# KiCad board porcupine_4thumb_keys_routed.kicad_pcb (continued)
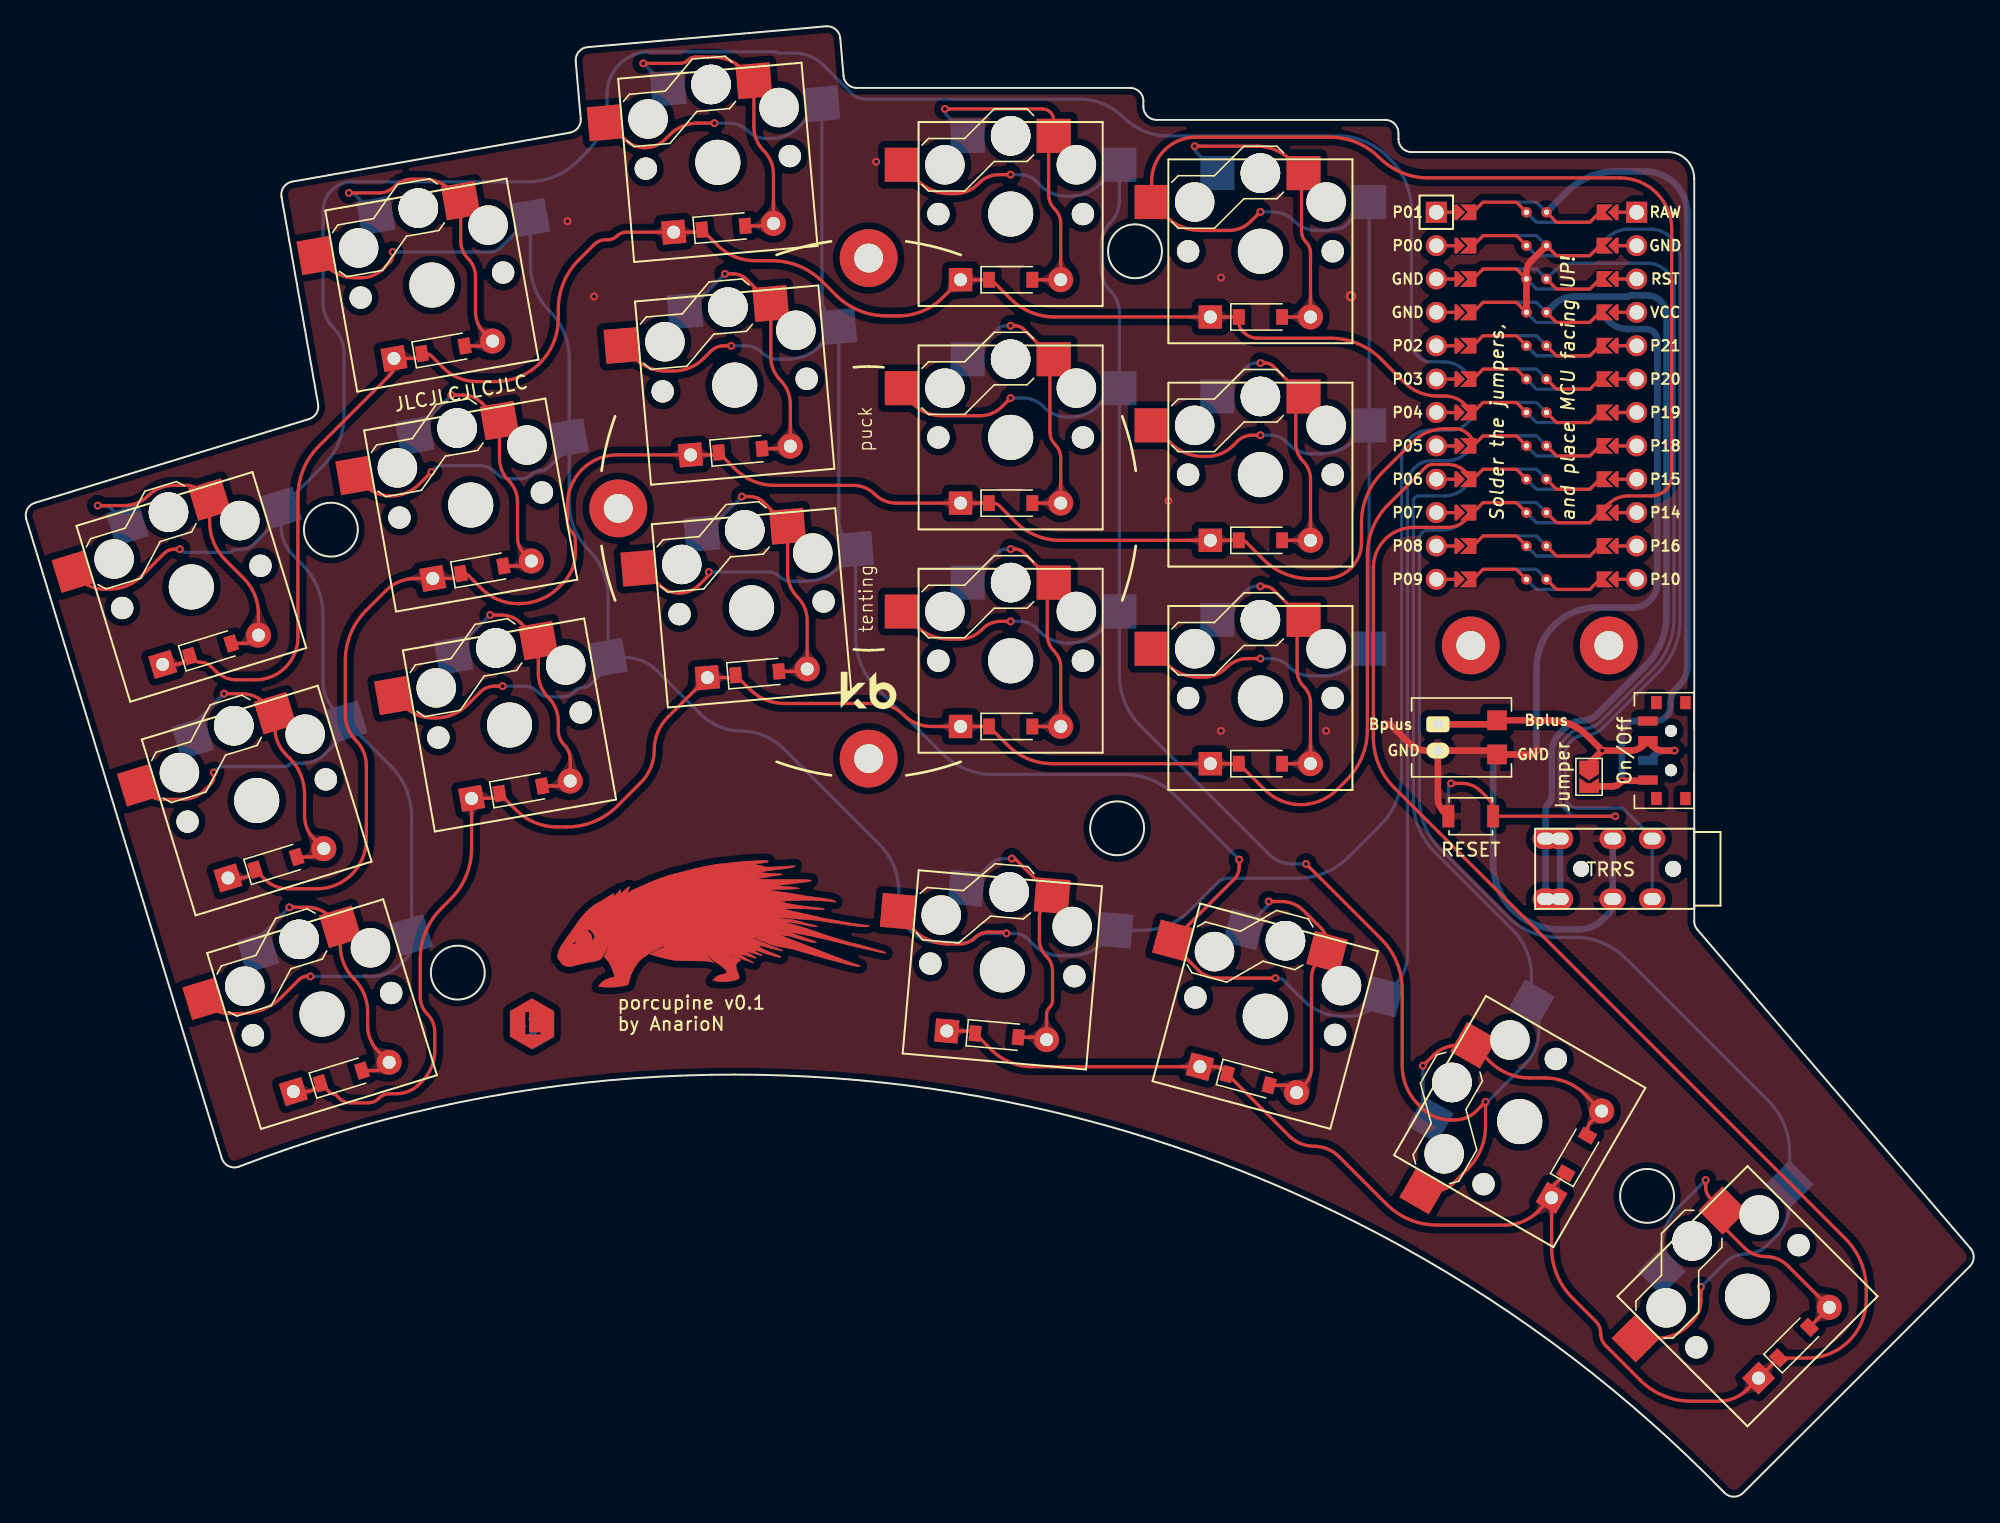
[diagram p0: board, top side]
## Copper pours and planes (outline as drawn; the poured copper is in the pictures) (continued)
inner_home on Bottom: 95.79,72.67 96.01,72.65 96.19,72.62 96.35,72.57 96.48,72.5 96.59,72.42 96.7,72.33 96.82,72.23 96.94,72.13 97.09,72.03 97.27,71.93 98.16,72.79 97.27,73.65 97.09,73.55 96.94,73.45 96.82,73.35 96.7,73.25 96.59,73.16 96.48,73.08 96.35,73.01 96.19,72.96 96.01,72.93 95.79,72.92
inner_thumb on Top: 75.72,34.85 75.93,34.84 76.1,34.8 76.24,34.75 76.36,34.68 76.46,34.59 76.56,34.49 76.66,34.39 76.76,34.27 76.89,34.15 77.03,34.03 78.08,34.69 77.37,35.71 77.16,35.64 76.99,35.57 76.85,35.49 76.72,35.41 76.59,35.33 76.46,35.26 76.32,35.19 76.15,35.14 75.96,35.11 75.72,35.1
inner_thumb on Top: 77.48,36.69 77.47,36.46 77.44,36.28 77.39,36.13 77.32,36 77.24,35.88 77.15,35.77 77.05,35.66 76.95,35.53 76.85,35.38 76.75,35.2 77.61,34.31 78.47,35.2 78.37,35.38 78.27,35.53 78.17,35.66 78.07,35.77 77.98,35.88 77.9,36 77.83,36.13 77.78,36.28 77.75,36.46 77.73,36.69
inner_thumb on Bottom: 75.72,34.85 75.93,34.84 76.1,34.8 76.24,34.75 76.36,34.68 76.46,34.59 76.56,34.49 76.66,34.39 76.76,34.27 76.89,34.15 77.03,34.03 78.08,34.69 77.37,35.71 77.16,35.64 76.99,35.57 76.85,35.49 76.72,35.41 76.59,35.33 76.46,35.26 76.32,35.19 76.15,35.14 75.96,35.11 75.72,35.1
inner_top on Top: 95.79,89.67 96.01,89.65 96.19,89.62 96.35,89.57 96.48,89.5 96.59,89.42 96.7,89.33 96.82,89.23 96.94,89.13 97.09,89.03 97.27,88.93 98.16,89.79 97.27,90.65 97.09,90.55 96.94,90.45 96.82,90.35 96.7,90.25 96.59,90.16 96.48,90.08 96.35,90.01 96.19,89.96 96.01,89.93 95.79,89.92
inner_top on Top: 97.56,91.69 97.55,91.47 97.52,91.28 97.46,91.13 97.4,91 97.32,90.89 97.23,90.78 97.13,90.66 97.03,90.53 96.93,90.39 96.83,90.21 97.69,89.31 98.54,90.21 98.45,90.39 98.35,90.53 98.25,90.66 98.15,90.78 98.06,90.89 97.98,91 97.91,91.13 97.86,91.28 97.82,91.47 97.81,91.69
inner_top on Bottom: 95.79,89.67 96.01,89.65 96.19,89.62 96.35,89.57 96.48,89.5 96.59,89.42 96.7,89.33 96.82,89.23 96.94,89.13 97.09,89.03 97.27,88.93 98.16,89.79 97.27,90.65 97.09,90.55 96.94,90.45 96.82,90.35 96.7,90.25 96.59,90.16 96.48,90.08 96.35,90.01 96.19,89.96 96.01,89.93 95.79,89.92
middle_bottom on Top: 57.51,62.69 57.75,62.68 57.95,62.65 58.11,62.6 58.25,62.53 58.38,62.46 58.51,62.38 58.64,62.3 58.78,62.22 58.96,62.15 59.16,62.08 59.87,63.1 58.83,63.76 58.68,63.64 58.55,63.52 58.45,63.4 58.35,63.29 58.25,63.2 58.15,63.11 58.03,63.04 57.89,62.99 57.72,62.95 57.51,62.94
middle_bottom on Top: 59.28,64.91 59.26,64.68 59.23,64.5 59.18,64.35 59.11,64.22 59.03,64.1 58.94,63.99 58.84,63.88 58.74,63.75 58.64,63.6 58.54,63.42 59.4,62.53 60.26,63.42 60.16,63.6 60.06,63.75 59.96,63.88 59.86,63.99 59.77,64.1 59.69,64.22 59.62,64.35 59.57,64.5 59.54,64.68 59.53,64.91
middle_bottom on Bottom: 57.51,62.69 57.75,62.68 57.95,62.65 58.11,62.6 58.25,62.53 58.38,62.46 58.51,62.38 58.64,62.3 58.78,62.22 58.96,62.15 59.16,62.08 59.87,63.1 58.83,63.76 58.68,63.64 58.55,63.52 58.45,63.4 58.35,63.29 58.25,63.2 58.15,63.11 58.03,63.04 57.89,62.99 57.72,62.95 57.51,62.94
middle_home on Top: 56.22,79.64 56.47,79.63 56.66,79.6 56.83,79.55 56.97,79.49 57.1,79.41 57.22,79.33 57.36,79.25 57.5,79.17 57.67,79.1 57.88,79.03 58.59,80.05 57.54,80.72 57.39,80.59 57.27,80.47 57.16,80.36 57.07,80.25 56.97,80.15 56.87,80.06 56.75,79.99 56.61,79.94 56.44,79.91 56.22,79.89
middle_home on Top: 57.99,81.86 57.98,81.64 57.95,81.45 57.9,81.3 57.83,81.17 57.75,81.05 57.66,80.94 57.56,80.83 57.46,80.7 57.36,80.55 57.26,80.37 58.12,79.48 58.98,80.37 58.88,80.55 58.78,80.7 58.68,80.83 58.58,80.94 58.49,81.05 58.41,81.17 58.34,81.3 58.29,81.45 58.26,81.64 58.24,81.86
middle_home on Bottom: 56.22,79.64 56.47,79.63 56.66,79.6 56.83,79.55 56.97,79.49 57.1,79.41 57.22,79.33 57.36,79.25 57.5,79.17 57.67,79.1 57.88,79.03 58.59,80.05 57.54,80.72 57.39,80.59 57.27,80.47 57.16,80.36 57.07,80.25 56.97,80.15 56.87,80.06 56.75,79.99 56.61,79.94 56.44,79.91 56.22,79.89
middle_top on Top: 56.71,98.82 56.7,98.59 56.67,98.4 56.61,98.25 56.55,98.12 56.47,98.01 56.38,97.9 56.28,97.78 56.18,97.65 56.08,97.5 55.98,97.32 56.84,96.43 57.69,97.32 57.6,97.5 57.49,97.65 57.39,97.78 57.3,97.9 57.21,98.01 57.13,98.12 57.06,98.25 57.01,98.4 56.97,98.59 56.96,98.82
middle_top on Top: 54.94,96.6 55.18,96.58 55.38,96.55 55.55,96.5 55.69,96.44 55.82,96.37 55.94,96.29 56.07,96.21 56.22,96.13 56.39,96.05 56.6,95.99 57.3,97 56.26,97.67 56.11,97.54 55.99,97.42 55.88,97.31 55.78,97.2 55.69,97.1 55.58,97.02 55.47,96.95 55.33,96.89 55.15,96.86 54.94,96.85
middle_top on Bottom: 54.94,96.6 55.18,96.58 55.38,96.55 55.55,96.5 55.69,96.44 55.82,96.37 55.94,96.29 56.07,96.21 56.22,96.13 56.39,96.05 56.6,95.99 57.3,97 56.26,97.67 56.11,97.54 55.99,97.42 55.88,97.31 55.78,97.2 55.69,97.1 55.58,97.02 55.47,96.95 55.33,96.89 55.15,96.86 54.94,96.85
near_thumb on Top: 94.88,31.19 95.07,31.18 95.22,31.13 95.33,31.07 95.42,30.98 95.5,30.88 95.56,30.76 95.69,30.49 95.77,30.34 95.86,30.19 97.05,30.53 96.63,31.71 96.41,31.7 96.23,31.68 96.07,31.65 95.93,31.61 95.79,31.57 95.65,31.53 95.5,31.5 95.33,31.47 95.13,31.45 94.88,31.44
near_thumb on Top: 97.6,32.31 97.54,32.13 97.46,31.99 97.36,31.9 97.24,31.83 97.11,31.8 96.96,31.77 96.81,31.76 96.64,31.74 96.46,31.7 96.28,31.64 96.31,30.41 97.56,30.56 97.6,30.76 97.64,30.94 97.66,31.09 97.68,31.24 97.71,31.51 97.73,31.66 97.76,31.83 97.8,32.03 97.85,32.26
near_thumb on Bottom: 94.88,31.19 95.07,31.18 95.22,31.13 95.33,31.07 95.42,30.98 95.5,30.88 95.56,30.76 95.69,30.49 95.77,30.34 95.86,30.19 97.05,30.53 96.63,31.71 96.41,31.7 96.23,31.68 96.07,31.65 95.93,31.61 95.79,31.57 95.65,31.53 95.5,31.5 95.33,31.47 95.13,31.45 94.88,31.44
P0 on Bottom: 122.49,51.17 122.61,51.04 122.7,50.91 122.76,50.79 122.8,50.68 122.82,50.56 122.83,50.44 122.84,50.32 122.85,50.19 122.87,50.04 122.91,49.88 123.94,49.79 123.99,50.83 123.82,50.89 123.68,50.93 123.54,50.95 123.42,50.97 123.3,50.99 123.18,51.02 123.06,51.06 122.94,51.13 122.81,51.22 122.67,51.35
P0 on Bottom: 123.8,48.48 123.81,48.67 123.84,48.83 123.88,48.96 123.93,49.07 124,49.17 124.07,49.26 124.15,49.36 124.23,49.47 124.32,49.59 124.4,49.74 123.68,50.49 122.96,49.74 123.04,49.59 123.12,49.47 123.2,49.36 123.28,49.26 123.36,49.17 123.42,49.07 123.47,48.96 123.52,48.83 123.54,48.67 123.55,48.48
P0 on Bottom: 123.55,47.08 123.54,46.89 123.52,46.74 123.47,46.61 123.42,46.5 123.35,46.41 123.28,46.31 123.2,46.22 123.12,46.11 123.04,45.99 122.96,45.84 123.68,45.09 124.4,45.84 124.32,45.99 124.23,46.11 124.15,46.22 124.07,46.31 124,46.41 123.94,46.5 123.88,46.61 123.84,46.74 123.81,46.89 123.8,47.08
P4 on Top: 12.06,63.78 11.93,63.66 11.8,63.6 11.68,63.59 11.56,63.62 11.44,63.68 11.32,63.76 11.06,63.96 10.92,64.06 10.76,64.15 9.93,63.35 11.03,62.75 11.16,62.87 11.28,62.97 11.39,63.04 11.5,63.1 11.61,63.16 11.73,63.21 11.84,63.27 11.97,63.36 12.1,63.47 12.24,63.61
P4 on Top: 69.91,91.28 70.06,91.42 70.2,91.52 70.34,91.59 70.47,91.63 70.6,91.65 70.73,91.67 70.87,91.68 71.01,91.7 71.18,91.73 71.36,91.78 71.38,92.94 70.23,92.92 70.17,92.73 70.14,92.57 70.12,92.42 70.11,92.28 70.1,92.15 70.07,92.02 70.03,91.89 69.97,91.76 69.87,91.62 69.73,91.46
P4 on Top: 88.3,89.67 88.51,89.65 88.68,89.62 88.82,89.58 88.94,89.51 89.05,89.44 89.15,89.36 89.26,89.27 89.38,89.17 89.51,89.08 89.68,88.99 90.51,89.79 89.68,90.59 89.51,90.5 89.38,90.41 89.26,90.31 89.15,90.23 89.05,90.14 88.94,90.07 88.82,90.01 88.68,89.96 88.51,89.93 88.3,89.92
P4 on Top: 29.96,87.18 29.9,86.98 29.8,86.87 29.67,86.82 29.52,86.83 29.35,86.89 29.16,86.98 28.96,87.09 28.76,87.21 28.56,87.33 28.36,87.43 27.53,86.63 28.84,86.47 28.91,86.63 29.02,86.72 29.17,86.77 29.34,86.78 29.52,86.77 29.7,86.77 29.88,86.79 30.03,86.84 30.14,86.95 30.21,87.13
P4 on Top: 72.84,92.75 72.63,92.76 72.46,92.79 72.31,92.84 72.19,92.9 72.09,92.98 71.98,93.06 71.88,93.15 71.76,93.24 71.62,93.33 71.46,93.42 70.62,92.62 71.46,91.82 71.62,91.91 71.76,92.01 71.88,92.1 71.98,92.19 72.09,92.27 72.19,92.35 72.31,92.41 72.46,92.46 72.63,92.49 72.84,92.5
P4 on Top: 51.01,96.37 50.81,96.38 50.63,96.41 50.49,96.46 50.37,96.52 50.26,96.6 50.16,96.68 50.06,96.77 49.94,96.86 49.8,96.95 49.63,97.05 48.8,96.25 49.63,95.45 49.8,95.54 49.94,95.63 50.06,95.72 50.16,95.81 50.26,95.89 50.37,95.97 50.49,96.03 50.63,96.08 50.81,96.11 51.01,96.12
P4 on Top: 91.84,89.92 91.63,89.93 91.46,89.96 91.31,90.01 91.19,90.07 91.09,90.14 90.98,90.23 90.88,90.31 90.76,90.41 90.62,90.5 90.46,90.59 89.62,89.79 90.46,88.99 90.62,89.08 90.76,89.17 90.88,89.27 90.98,89.36 91.09,89.44 91.19,89.51 91.31,89.58 91.46,89.62 91.63,89.65 91.84,89.67
P4 on Top: 47.48,96.12 47.69,96.11 47.86,96.08 48,96.03 48.12,95.97 48.23,95.89 48.33,95.81 48.44,95.72 48.55,95.63 48.69,95.54 48.86,95.45 49.69,96.25 48.86,97.05 48.69,96.95 48.55,96.86 48.44,96.77 48.33,96.68 48.23,96.6 48.12,96.52 48,96.46 47.86,96.41 47.69,96.38 47.48,96.37
P4 on Top: 27.43,84.96 27.58,85.11 27.72,85.23 27.83,85.34 27.94,85.43 28.13,85.58 28.23,85.67 28.34,85.76 28.46,85.87 28.6,86 28.05,87.07 27.11,86.4 27.16,86.24 27.23,86.1 27.36,85.85 27.41,85.73 27.44,85.62 27.45,85.5 27.42,85.39 27.36,85.27 27.25,85.14
P4 on Bottom: 51.01,96.37 50.81,96.38 50.63,96.41 50.49,96.46 50.37,96.52 50.26,96.6 50.16,96.68 50.06,96.77 49.94,96.86 49.8,96.95 49.63,97.05 48.8,96.25 49.63,95.45 49.8,95.54 49.94,95.63 50.06,95.72 50.16,95.81 50.26,95.89 50.37,95.97 50.49,96.03 50.63,96.08 50.81,96.11 51.01,96.12
P4 on Bottom: 12.06,63.78 11.93,63.66 11.8,63.6 11.68,63.59 11.56,63.62 11.44,63.68 11.32,63.76 11.06,63.96 10.92,64.06 10.76,64.15 9.93,63.35 11.03,62.75 11.16,62.87 11.28,62.97 11.39,63.04 11.5,63.1 11.61,63.16 11.73,63.21 11.84,63.27 11.97,63.36 12.1,63.47 12.24,63.61
P4 on Bottom: 91.84,89.92 91.63,89.93 91.46,89.96 91.31,90.01 91.19,90.07 91.09,90.14 90.98,90.23 90.88,90.31 90.76,90.41 90.62,90.5 90.46,90.59 89.62,89.79 90.46,88.99 90.62,89.08 90.76,89.17 90.88,89.27 90.98,89.36 91.09,89.44 91.19,89.51 91.31,89.58 91.46,89.62 91.63,89.65 91.84,89.67
P4 on Bottom: 29.96,87.18 29.9,86.98 29.8,86.87 29.67,86.82 29.52,86.83 29.35,86.89 29.16,86.98 28.96,87.09 28.76,87.21 28.56,87.33 28.36,87.43 27.53,86.63 28.84,86.47 28.91,86.63 29.02,86.72 29.17,86.77 29.34,86.78 29.52,86.77 29.7,86.77 29.88,86.79 30.03,86.84 30.14,86.95 30.21,87.13
P4 on Bottom: 72.84,92.75 72.63,92.76 72.46,92.79 72.31,92.84 72.19,92.9 72.09,92.98 71.98,93.06 71.88,93.15 71.76,93.24 71.62,93.33 71.46,93.42 70.62,92.62 71.46,91.82 71.62,91.91 71.76,92.01 71.88,92.1 71.98,92.19 72.09,92.27 72.19,92.35 72.31,92.41 72.46,92.46 72.63,92.49 72.84,92.5
P5 on Top: 88.3,72.67 88.51,72.65 88.68,72.62 88.82,72.58 88.94,72.51 89.05,72.44 89.15,72.36 89.26,72.27 89.38,72.17 89.51,72.08 89.68,71.99 90.51,72.79 89.68,73.59 89.51,73.5 89.38,73.41 89.26,73.31 89.15,73.23 89.05,73.14 88.94,73.07 88.82,73.01 88.68,72.96 88.51,72.93 88.3,72.92
P5 on Top: 52.3,79.42 52.09,79.43 51.92,79.46 51.77,79.51 51.65,79.57 51.55,79.64 51.44,79.73 51.34,79.82 51.22,79.91 51.08,80 50.92,80.09 50.08,79.29 50.92,78.49 51.08,78.58 51.22,78.68 51.34,78.77 51.44,78.86 51.55,78.94 51.65,79.02 51.77,79.08 51.92,79.13 52.09,79.16 52.3,79.17
P5 on Top: 32.92,70.44 32.85,70.24 32.75,70.13 32.63,70.08 32.47,70.09 32.3,70.15 32.11,70.24 31.91,70.35 31.71,70.47 31.51,70.59 31.31,70.69 30.48,69.89 31.8,69.73 31.86,69.89 31.97,69.98 32.12,70.02 32.29,70.03 32.47,70.03 32.66,70.03 32.83,70.05 32.98,70.1 33.09,70.21 33.16,70.39
P5 on Top: 28.76,69.65 29.01,69.7 29.22,69.72 29.4,69.71 29.56,69.67 29.71,69.6 29.85,69.52 29.99,69.42 30.15,69.31 30.33,69.2 30.53,69.09 31.37,69.89 30.53,70.69 30.31,70.58 30.13,70.49 29.82,70.32 29.68,70.25 29.53,70.18 29.36,70.11 29.18,70.04 28.96,69.97 28.69,69.89
P5 on Top: 69.3,75.5 69.51,75.49 69.68,75.46 69.82,75.41 69.94,75.35 70.05,75.27 70.15,75.19 70.26,75.1 70.38,75.01 70.51,74.91 70.68,74.82 71.51,75.62 70.68,76.42 70.51,76.33 70.38,76.24 70.26,76.15 70.15,76.06 70.05,75.98 69.94,75.9 69.82,75.84 69.68,75.79 69.51,75.76 69.3,75.75
P5 on Top: 91.85,72.92 91.64,72.93 91.46,72.96 91.32,73 91.2,73.07 91.09,73.14 90.99,73.22 90.88,73.31 90.76,73.41 90.62,73.5 90.46,73.59 89.62,72.79 90.46,71.99 90.62,72.08 90.76,72.17 90.88,72.27 90.99,72.36 91.09,72.44 91.2,72.51 91.32,72.58 91.46,72.62 91.64,72.65 91.85,72.67
P5 on Top: 72.84,75.75 72.63,75.76 72.46,75.79 72.31,75.84 72.19,75.9 72.09,75.98 71.98,76.06 71.88,76.15 71.76,76.24 71.62,76.33 71.46,76.42 70.62,75.62 71.46,74.82 71.62,74.91 71.76,75.01 71.88,75.1 71.98,75.19 72.09,75.27 72.19,75.35 72.31,75.41 72.46,75.46 72.63,75.49 72.84,75.5
P5 on Top: 17.03,47.52 16.9,47.41 16.77,47.35 16.65,47.34 16.53,47.36 16.41,47.42 16.29,47.51 16.03,47.71 15.89,47.81 15.73,47.89 14.9,47.09 16,46.49 16.13,46.62 16.25,46.71 16.36,46.79 16.47,46.85 16.58,46.9 16.7,46.95 16.81,47.02 16.94,47.1 17.07,47.21 17.22,47.35
P5 on Top: 48.76,79.17 48.97,79.16 49.14,79.13 49.28,79.08 49.4,79.02 49.51,78.94 49.61,78.86 49.72,78.77 49.84,78.68 49.97,78.58 50.14,78.49 50.97,79.29 50.14,80.09 49.97,80 49.84,79.91 49.72,79.82 49.61,79.73 49.51,79.64 49.4,79.57 49.28,79.51 49.14,79.46 48.97,79.43 48.76,79.42
P5 on Bottom: 32.92,70.44 32.85,70.24 32.75,70.13 32.63,70.08 32.47,70.09 32.3,70.15 32.11,70.24 31.91,70.35 31.71,70.47 31.51,70.59 31.31,70.69 30.48,69.89 31.8,69.73 31.86,69.89 31.97,69.98 32.12,70.02 32.29,70.03 32.47,70.03 32.66,70.03 32.83,70.05 32.98,70.1 33.09,70.21 33.16,70.39
P5 on Bottom: 17.03,47.52 16.9,47.41 16.77,47.35 16.65,47.34 16.53,47.36 16.41,47.42 16.29,47.51 16.03,47.71 15.89,47.81 15.73,47.89 14.9,47.09 16,46.49 16.13,46.62 16.25,46.71 16.36,46.79 16.47,46.85 16.58,46.9 16.7,46.95 16.81,47.02 16.94,47.1 17.07,47.21 17.22,47.35
P5 on Bottom: 72.84,75.75 72.63,75.76 72.46,75.79 72.31,75.84 72.19,75.9 72.09,75.98 71.98,76.06 71.88,76.15 71.76,76.24 71.62,76.33 71.46,76.42 70.62,75.62 71.46,74.82 71.62,74.91 71.76,75.01 71.88,75.1 71.98,75.19 72.09,75.27 72.19,75.35 72.31,75.41 72.46,75.46 72.63,75.49 72.84,75.5
P5 on Bottom: 91.84,72.92 91.63,72.93 91.46,72.96 91.31,73.01 91.19,73.07 91.09,73.14 90.98,73.23 90.88,73.31 90.76,73.41 90.62,73.5 90.46,73.59 89.62,72.79 90.46,71.99 90.62,72.08 90.76,72.17 90.88,72.27 90.98,72.36 91.09,72.44 91.19,72.51 91.31,72.58 91.46,72.62 91.63,72.65 91.84,72.67
P5 on Bottom: 52.3,79.42 52.09,79.43 51.92,79.46 51.77,79.51 51.65,79.57 51.55,79.64 51.44,79.73 51.34,79.82 51.22,79.91 51.08,80 50.92,80.09 50.08,79.29 50.92,78.49 51.08,78.58 51.22,78.68 51.34,78.77 51.44,78.86 51.55,78.94 51.65,79.02 51.77,79.08 51.92,79.13 52.09,79.16 52.3,79.17
P6 on Top: 50.65,61 50.8,61.14 50.95,61.24 51.08,61.31 51.21,61.35 51.34,61.37 51.47,61.38 51.61,61.4 51.76,61.41 51.92,61.45 52.1,61.5 52.12,62.65 50.97,62.63 50.92,62.45 50.88,62.29 50.87,62.14 50.85,62 50.84,61.87 50.82,61.74 50.78,61.61 50.71,61.48 50.61,61.33 50.47,61.18
P6 on Top: 91.84,55.92 91.63,55.93 91.46,55.96 91.31,56.01 91.19,56.07 91.09,56.14 90.98,56.23 90.88,56.31 90.76,56.41 90.62,56.5 90.46,56.59 89.62,55.79 90.46,54.99 90.62,55.08 90.76,55.17 90.88,55.27 90.98,55.36 91.09,55.44 91.19,55.51 91.31,55.58 91.46,55.62 91.63,55.65 91.84,55.67
P6 on Top: 53.58,62.46 53.37,62.48 53.2,62.51 53.06,62.55 52.94,62.62 52.83,62.69 52.73,62.77 52.62,62.86 52.5,62.96 52.36,63.05 52.2,63.14 51.37,62.34 52.2,61.54 52.36,61.63 52.5,61.72 52.62,61.82 52.73,61.91 52.83,61.99 52.94,62.06 53.06,62.12 53.2,62.17 53.37,62.2 53.58,62.21
P6 on Top: 34,51.38 34.01,51.59 34.04,51.76 34.09,51.9 34.15,52.02 34.23,52.13 34.31,52.23 34.4,52.34 34.49,52.46 34.58,52.6 34.67,52.76 33.87,53.59 33.07,52.76 33.16,52.6 33.26,52.46 33.35,52.34 33.44,52.23 33.52,52.13 33.6,52.02 33.66,51.9 33.71,51.76 33.74,51.59 33.75,51.38
P6 on Top: 72.84,58.75 72.63,58.76 72.46,58.79 72.31,58.84 72.19,58.9 72.09,58.98 71.98,59.06 71.88,59.15 71.76,59.24 71.62,59.33 71.46,59.42 70.62,58.62 71.46,57.82 71.62,57.91 71.76,58.01 71.88,58.1 71.98,58.19 72.09,58.27 72.19,58.35 72.31,58.41 72.46,58.46 72.63,58.49 72.84,58.5
P6 on Top: 22,31.27 21.87,31.15 21.74,31.09 21.62,31.08 21.5,31.11 21.38,31.17 21.26,31.25 21,31.45 20.86,31.55 20.7,31.64 19.87,30.84 20.97,30.23 21.1,30.36 21.22,30.46 21.33,30.53 21.44,30.59 21.55,30.64 21.67,30.7 21.78,30.76 21.91,30.84 22.04,30.95 22.19,31.1
P6 on Top: 35.87,53.7 35.8,53.5 35.71,53.39 35.58,53.34 35.42,53.35 35.25,53.41 35.06,53.5 34.87,53.61 34.66,53.73 34.46,53.85 34.26,53.95 33.43,53.15 34.75,52.99 34.81,53.15 34.92,53.24 35.07,53.28 35.24,53.29 35.42,53.29 35.61,53.29 35.78,53.3 35.93,53.36 36.04,53.47 36.11,53.65
P6 on Top: 69.3,58.5 69.51,58.49 69.68,58.46 69.82,58.41 69.94,58.35 70.05,58.27 70.15,58.19 70.26,58.1 70.38,58.01 70.51,57.91 70.68,57.82 71.51,58.62 70.68,59.42 70.51,59.33 70.38,59.24 70.26,59.15 70.15,59.06 70.05,58.98 69.94,58.9 69.82,58.84 69.68,58.79 69.51,58.76 69.3,58.75
P6 on Top: 88.3,55.67 88.51,55.65 88.68,55.62 88.82,55.58 88.94,55.51 89.05,55.44 89.15,55.36 89.26,55.27 89.38,55.17 89.51,55.08 89.68,54.99 90.51,55.79 89.68,56.59 89.51,56.5 89.38,56.41 89.26,56.31 89.15,56.23 89.05,56.14 88.94,56.07 88.82,56.01 88.68,55.96 88.51,55.93 88.3,55.92
P6 on Bottom: 72.84,58.75 72.63,58.76 72.46,58.79 72.31,58.84 72.19,58.9 72.09,58.98 71.98,59.06 71.88,59.15 71.76,59.24 71.62,59.33 71.46,59.42 70.62,58.62 71.46,57.82 71.62,57.91 71.76,58.01 71.88,58.1 71.98,58.19 72.09,58.27 72.19,58.35 72.31,58.41 72.46,58.46 72.63,58.49 72.84,58.5
P6 on Bottom: 53.58,62.46 53.37,62.48 53.2,62.51 53.06,62.55 52.94,62.62 52.83,62.69 52.73,62.77 52.62,62.86 52.5,62.96 52.36,63.05 52.2,63.14 51.37,62.34 52.2,61.54 52.36,61.63 52.5,61.72 52.62,61.82 52.73,61.91 52.83,61.99 52.94,62.06 53.06,62.12 53.2,62.17 53.37,62.2 53.58,62.21
P6 on Bottom: 35.87,53.7 35.8,53.5 35.71,53.39 35.58,53.34 35.42,53.35 35.25,53.41 35.06,53.5 34.87,53.61 34.66,53.73 34.46,53.85 34.26,53.95 33.43,53.15 34.75,52.99 34.81,53.15 34.92,53.24 35.07,53.28 35.24,53.29 35.42,53.29 35.61,53.29 35.78,53.3 35.93,53.36 36.04,53.47 36.11,53.65
P6 on Bottom: 91.84,55.92 91.63,55.93 91.46,55.96 91.31,56.01 91.19,56.07 91.09,56.14 90.98,56.23 90.88,56.31 90.76,56.41 90.62,56.5 90.46,56.59 89.62,55.79 90.46,54.99 90.62,55.08 90.76,55.17 90.88,55.27 90.98,55.36 91.09,55.44 91.19,55.51 91.31,55.58 91.46,55.62 91.63,55.65 91.84,55.67
P6 on Bottom: 22,31.27 21.87,31.15 21.74,31.09 21.62,31.08 21.5,31.11 21.38,31.17 21.26,31.25 21,31.45 20.86,31.55 20.7,31.64 19.87,30.84 20.97,30.23 21.1,30.36 21.22,30.46 21.33,30.53 21.44,30.59 21.55,30.64 21.67,30.7 21.78,30.76 21.91,30.84 22.04,30.95 22.19,31.1
P7 on Top: 114.35,21.06 114.61,21.21 114.82,21.33 115.01,21.43 115.18,21.51 115.34,21.58 115.5,21.64 115.67,21.7 116.07,21.83 116.32,21.91 116.34,23.07 115.19,23.05 115.11,22.81 115.06,22.59 115.01,22.39 114.97,22.21 114.92,22.04 114.85,21.88 114.76,21.73 114.63,21.58 114.45,21.43 114.22,21.28
P7 on Top: 71.79,35.57 71.58,35.58 71.41,35.62 71.27,35.66 71.15,35.73 71.04,35.8 70.94,35.88 70.83,35.97 70.71,36.06 70.57,36.16 70.41,36.25 69.57,35.45 70.41,34.65 70.57,34.74 70.71,34.83 70.83,34.92 70.94,35.01 71.04,35.1 71.15,35.17 71.27,35.23 71.41,35.28 71.58,35.31 71.79,35.32
P7 on Top: 133.69,10.67 133.4,10.63 133.16,10.56 132.96,10.48 132.79,10.39 132.64,10.29 132.49,10.19 132.33,10.1 132.15,10.02 131.94,9.96 131.68,9.91 131.46,8.71 132.61,8.74 132.68,8.99 132.74,9.23 132.79,9.45 132.84,9.67 132.9,9.86 132.98,10.03 133.09,10.17 133.24,10.29 133.45,10.38 133.72,10.42
P7 on Top: 130.24,7.51 130.48,7.64 130.68,7.73 130.86,7.81 131.02,7.87 131.17,7.92 131.32,7.96 131.47,8.01 131.64,8.05 131.84,8.11 132.06,8.19 132.08,9.34 130.93,9.32 130.87,9.11 130.82,8.91 130.76,8.56 130.72,8.41 130.67,8.26 130.59,8.12 130.48,7.99 130.33,7.86 130.12,7.73
P7 on Top: 116.68,24.38 116.52,24.23 116.38,24.1 116.25,24.01 116.13,23.93 115.9,23.79 115.79,23.71 115.67,23.63 115.54,23.52 115.4,23.38 115.91,22.33 116.9,22.92 116.86,23.08 116.81,23.22 116.71,23.48 116.67,23.6 116.65,23.71 116.65,23.83 116.68,23.95 116.75,24.07 116.86,24.2
P7 on Top: 91.27,32.42 91.13,32.58 91,32.69 90.86,32.77 90.73,32.82 90.61,32.87 90.48,32.91 90.35,32.95 90.23,33.02 90.11,33.12 89.98,33.26 88.83,32.73 89.66,31.93 89.83,32.02 89.98,32.13 90.13,32.24 90.28,32.34 90.42,32.42 90.55,32.48 90.68,32.5 90.81,32.48 90.94,32.41 91.07,32.27
P7 on Top: 116.15,20.97 116.16,21.18 116.19,21.35 116.24,21.5 116.3,21.62 116.38,21.73 116.46,21.83 116.55,21.94 116.64,22.06 116.74,22.2 116.83,22.37 116.03,23.2 115.23,22.37 115.32,22.2 115.41,22.06 115.5,21.94 115.59,21.83 115.68,21.73 115.75,21.62 115.81,21.5 115.86,21.35 115.89,21.18 115.9,20.97
P7 on Top: 87.5,32.6 87.71,32.59 87.88,32.56 88.02,32.51 88.14,32.45 88.25,32.38 88.35,32.29 88.46,32.2 88.58,32.11 88.72,32.02 88.88,31.93 89.71,32.73 88.88,33.53 88.72,33.44 88.58,33.34 88.46,33.25 88.35,33.16 88.25,33.08 88.14,33.01 88.02,32.94 87.88,32.9 87.71,32.86 87.5,32.85
P7 on Bottom: 91.27,32.42 91.13,32.58 91,32.69 90.86,32.77 90.73,32.82 90.61,32.87 90.48,32.91 90.35,32.95 90.23,33.02 90.11,33.12 89.98,33.26 88.83,32.73 89.66,31.93 89.83,32.02 89.98,32.13 90.13,32.24 90.28,32.34 90.42,32.42 90.55,32.48 90.68,32.51 90.81,32.48 90.94,32.41 91.07,32.27
P7 on Bottom: 132.93,10.37 132.78,10.23 132.63,10.13 132.5,10.06 132.37,10.02 132.24,10 132.11,9.98 131.97,9.97 131.82,9.95 131.66,9.92 131.48,9.87 131.46,8.71 132.61,8.74 132.66,8.92 132.7,9.08 132.71,9.23 132.73,9.37 132.74,9.5 132.76,9.63 132.8,9.76 132.87,9.89 132.97,10.04 133.11,10.19
P7 on Bottom: 71.79,35.57 71.58,35.58 71.41,35.62 71.27,35.66 71.15,35.73 71.04,35.8 70.94,35.88 70.83,35.97 70.71,36.06 70.57,36.16 70.41,36.25 69.57,35.45 70.41,34.65 70.57,34.74 70.71,34.83 70.83,34.92 70.94,35.01 71.04,35.1 71.15,35.17 71.27,35.23 71.41,35.28 71.58,35.31 71.79,35.32
P7 on Bottom: 116.68,24.38 116.52,24.23 116.38,24.1 116.25,24.01 116.13,23.93 115.9,23.79 115.79,23.71 115.67,23.63 115.54,23.52 115.4,23.38 115.91,22.33 116.9,22.92 116.86,23.08 116.81,23.22 116.71,23.48 116.67,23.6 116.65,23.71 116.65,23.83 116.68,23.95 116.75,24.07 116.86,24.2
pinky_bottom on Top: 25.89,32.31 26.12,32.3 26.32,32.29 26.49,32.26 26.64,32.24 26.92,32.18 27.06,32.15 27.21,32.13 27.39,32.12 27.6,32.11 28.01,33.31 26.8,33.58 26.71,33.43 26.65,33.28 26.54,33 26.48,32.88 26.41,32.77 26.33,32.68 26.21,32.61 26.07,32.57 25.89,32.56
pinky_bottom on Top: 26.12,34.6 26.23,34.36 26.32,34.15 26.38,33.97 26.43,33.81 26.46,33.65 26.53,33.34 26.57,33.17 26.63,32.98 26.7,32.75 27.94,32.73 27.91,33.96 27.7,34.02 27.51,34.06 27.33,34.09 27.16,34.11 27,34.14 26.85,34.18 26.72,34.25 26.59,34.36 26.46,34.5 26.35,34.71
pinky_bottom on Bottom: 25.89,32.31 26.12,32.3 26.32,32.29 26.49,32.26 26.64,32.24 26.92,32.18 27.06,32.15 27.21,32.13 27.39,32.12 27.6,32.11 28.01,33.31 26.8,33.58 26.71,33.43 26.65,33.28 26.54,33 26.48,32.88 26.41,32.77 26.33,32.68 26.21,32.61 26.07,32.57 25.89,32.56
pinky_home on Top: 20.92,48.56 21.15,48.56 21.35,48.54 21.52,48.52 21.67,48.5 21.95,48.44 22.09,48.41 22.24,48.39 22.42,48.37 22.63,48.37 23.04,49.57 21.83,49.84 21.74,49.69 21.68,49.54 21.56,49.26 21.51,49.14 21.44,49.03 21.36,48.94 21.24,48.87 21.1,48.83 20.92,48.81
pinky_home on Top: 21.25,50.79 21.35,50.55 21.42,50.35 21.47,50.18 21.5,50.02 21.53,49.87 21.55,49.72 21.58,49.57 21.61,49.41 21.66,49.22 21.73,49.01 22.97,48.98 22.94,50.22 22.75,50.28 22.56,50.31 22.39,50.33 22.23,50.34 22.08,50.36 21.94,50.4 21.81,50.46 21.69,50.56 21.58,50.69 21.48,50.89
pinky_home on Bottom: 20.92,48.56 21.15,48.56 21.35,48.54 21.52,48.52 21.67,48.5 21.95,48.44 22.09,48.41 22.24,48.39 22.42,48.37 22.63,48.37 23.04,49.57 21.83,49.84 21.74,49.69 21.68,49.54 21.56,49.26 21.51,49.14 21.44,49.03 21.36,48.94 21.24,48.87 21.1,48.83 20.92,48.81
pinky_top on Top: 15.95,64.82 16.18,64.82 16.38,64.8 16.55,64.78 16.7,64.75 16.98,64.69 17.12,64.67 17.27,64.65 17.45,64.63 17.66,64.63 18.07,65.82 16.86,66.1 16.77,65.94 16.71,65.79 16.59,65.51 16.54,65.39 16.47,65.29 16.38,65.2 16.27,65.13 16.13,65.09 15.95,65.07
pinky_top on Top: 17.42,68.09 17.48,67.8 17.5,67.55 17.49,67.33 17.44,67.15 17.37,66.97 17.28,66.8 17.17,66.63 17.06,66.44 16.93,66.23 16.8,65.99 17.66,65.1 18.52,65.99 18.39,66.25 18.19,66.65 18.11,66.83 18.03,67 17.96,67.17 17.89,67.36 17.82,67.58 17.75,67.84 17.67,68.15
pinky_top on Bottom: 15.95,64.82 16.18,64.82 16.38,64.8 16.55,64.78 16.7,64.75 16.98,64.69 17.12,64.67 17.27,64.65 17.45,64.63 17.66,64.63 18.07,65.82 16.86,66.1 16.77,65.94 16.71,65.79 16.59,65.51 16.54,65.39 16.47,65.29 16.38,65.2 16.27,65.13 16.13,65.09 15.95,65.07
ring_bottom on Top: 40.99,56.94 41.14,56.7 41.22,56.48 41.23,56.28 41.21,56.09 41.14,55.91 41.04,55.72 40.92,55.54 40.78,55.34 40.65,55.13 40.52,54.89 41.38,54 42.16,55.02 42.01,55.25 41.9,55.46 41.82,55.65 41.76,55.83 41.71,56.01 41.65,56.19 41.58,56.38 41.49,56.59 41.37,56.82 41.2,57.08
ring_bottom on Top: 39.55,53.97 39.8,53.96 40.01,53.93 40.18,53.88 40.34,53.83 40.48,53.76 40.62,53.7 40.76,53.64 40.92,53.58 41.11,53.54 41.33,53.52 41.82,54.66 40.66,55.1 40.55,54.96 40.45,54.83 40.37,54.7 40.29,54.59 40.21,54.48 40.13,54.4 40.02,54.32 39.89,54.27 39.74,54.23 39.55,54.22
ring_bottom on Bottom: 39.55,53.97 39.8,53.96 40.01,53.93 40.18,53.88 40.34,53.83 40.48,53.76 40.62,53.7 40.76,53.64 40.92,53.58 41.11,53.54 41.33,53.52 41.82,54.66 40.66,55.1 40.55,54.96 40.45,54.83 40.37,54.7 40.29,54.59 40.21,54.48 40.13,54.4 40.02,54.32 39.89,54.27 39.74,54.23 39.55,54.22
ring_home on Top: 36.59,70.71 36.85,70.7 37.05,70.67 37.23,70.62 37.39,70.57 37.53,70.5 37.66,70.44 37.81,70.38 37.97,70.33 38.16,70.29 38.38,70.26 38.86,71.4 37.71,71.84 37.6,71.7 37.5,71.57 37.42,71.44 37.34,71.33 37.26,71.23 37.17,71.14 37.07,71.06 36.94,71.01 36.79,70.98 36.59,70.96
ring_home on Top: 37.26,72.75 37.29,72.52 37.32,72.33 37.34,72.16 37.43,71.46 37.45,71.28 37.48,71.08 38.74,70.86 38.79,72.1 38.61,72.15 38.44,72.19 38.27,72.22 38.11,72.24 37.96,72.26 37.83,72.3 37.72,72.36 37.62,72.46 37.55,72.6 37.51,72.78
ring_home on Bottom: 36.59,70.71 36.85,70.7 37.05,70.67 37.23,70.62 37.39,70.57 37.53,70.5 37.66,70.44 37.81,70.38 37.97,70.33 38.16,70.29 38.38,70.26 38.86,71.4 37.71,71.84 37.6,71.7 37.5,71.57 37.42,71.44 37.34,71.33 37.26,71.23 37.17,71.14 37.07,71.06 36.94,71.01 36.79,70.98 36.59,70.96
ring_top on Top: 33.64,87.46 33.89,87.44 34.1,87.41 34.28,87.37 34.43,87.31 34.57,87.25 34.71,87.18 34.86,87.12 35.02,87.07 35.21,87.03 35.43,87.01 35.91,88.14 34.76,88.58 34.64,88.44 34.55,88.31 34.47,88.18 34.39,88.07 34.31,87.97 34.22,87.88 34.12,87.81 33.99,87.75 33.83,87.72 33.64,87.71
ring_top on Top: 34.18,89.39 34.26,89.16 34.31,88.96 34.35,88.79 34.38,88.63 34.39,88.49 34.41,88.34 34.43,88.2 34.46,88.04 34.51,87.86 34.57,87.65 35.81,87.62 35.79,88.85 35.61,88.91 35.43,88.94 35.27,88.95 35.11,88.96 34.96,88.98 34.83,89.01 34.71,89.07 34.6,89.16 34.5,89.29 34.42,89.48
ring_top on Bottom: 33.64,87.46 33.89,87.44 34.1,87.41 34.28,87.37 34.43,87.31 34.57,87.25 34.71,87.18 34.86,87.12 35.02,87.07 35.21,87.03 35.43,87.01 35.91,88.14 34.76,88.58 34.64,88.44 34.55,88.31 34.47,88.18 34.39,88.07 34.31,87.97 34.22,87.88 34.12,87.81 33.99,87.75 33.83,87.72 33.64,87.71

Small or netless copper shapes (teardrops, artwork), in the pictures only: 49 on Top, 50 on Bottom

## Text on the board
B.Silkscreen: porcupine v0.1 / by AnarioN | Solder the jumpers, | and place MCU facing UP!
F.Silkscreen: porcupine v0.1 / by AnarioN | JLCJLCJLCJLC | Solder the jumpers, | and place MCU facing UP!
